# Altium PCB PCB1.PcbDoc (part 1 of 2)
Units mm, origin at the board's own origin, x right, y up, seen from the top; angles counter-clockwise.
Board outline 105 x 90 mm, 6 copper layers (SIG TOP, GND1, PWR, SIG, GND2, SIG BOT), stack 1.597 mm thick; 124 components, 105 nets, 563 pads, 434 vias.
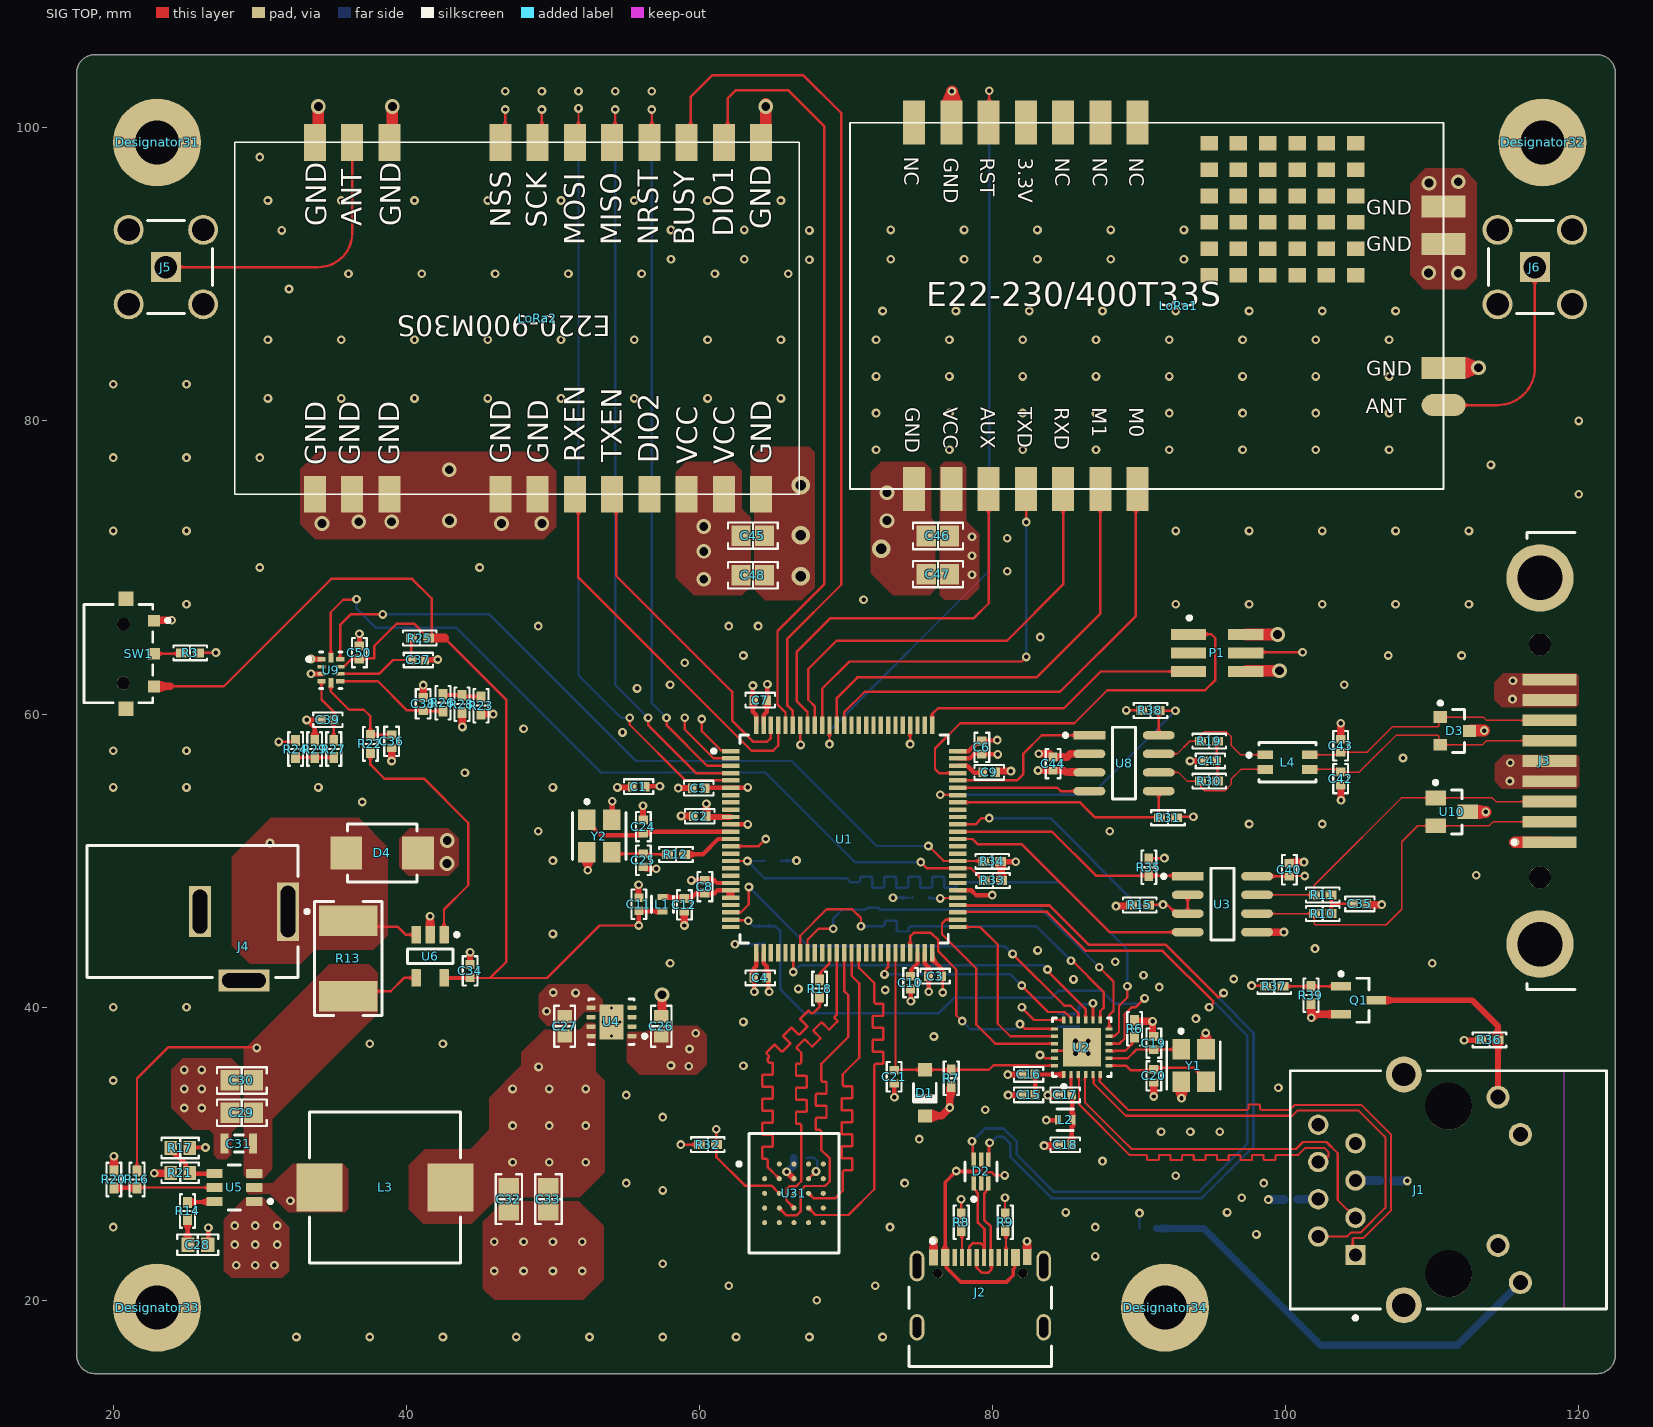
[diagram p0: SIG TOP view]
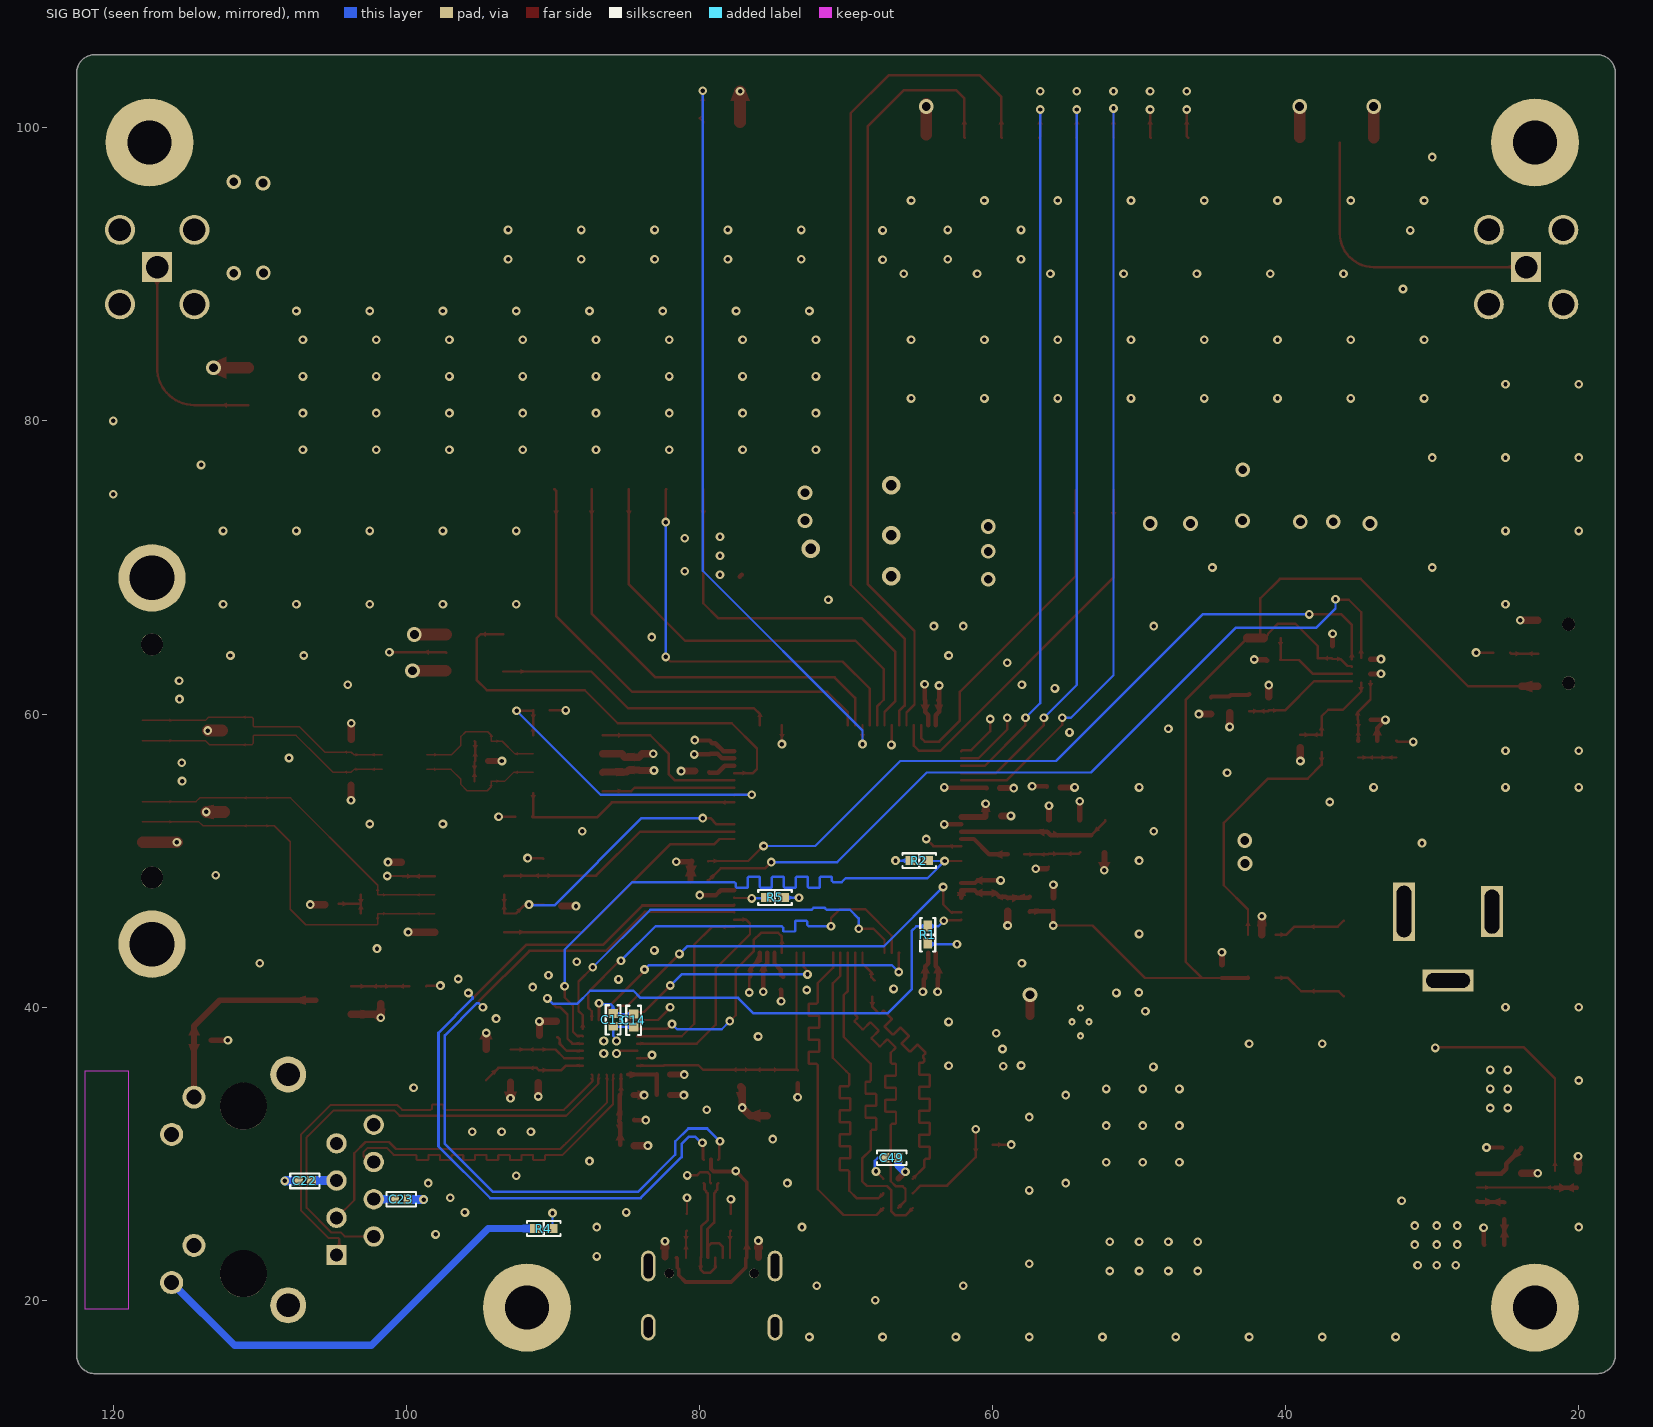
[diagram p1: SIG BOT view, seen from below]
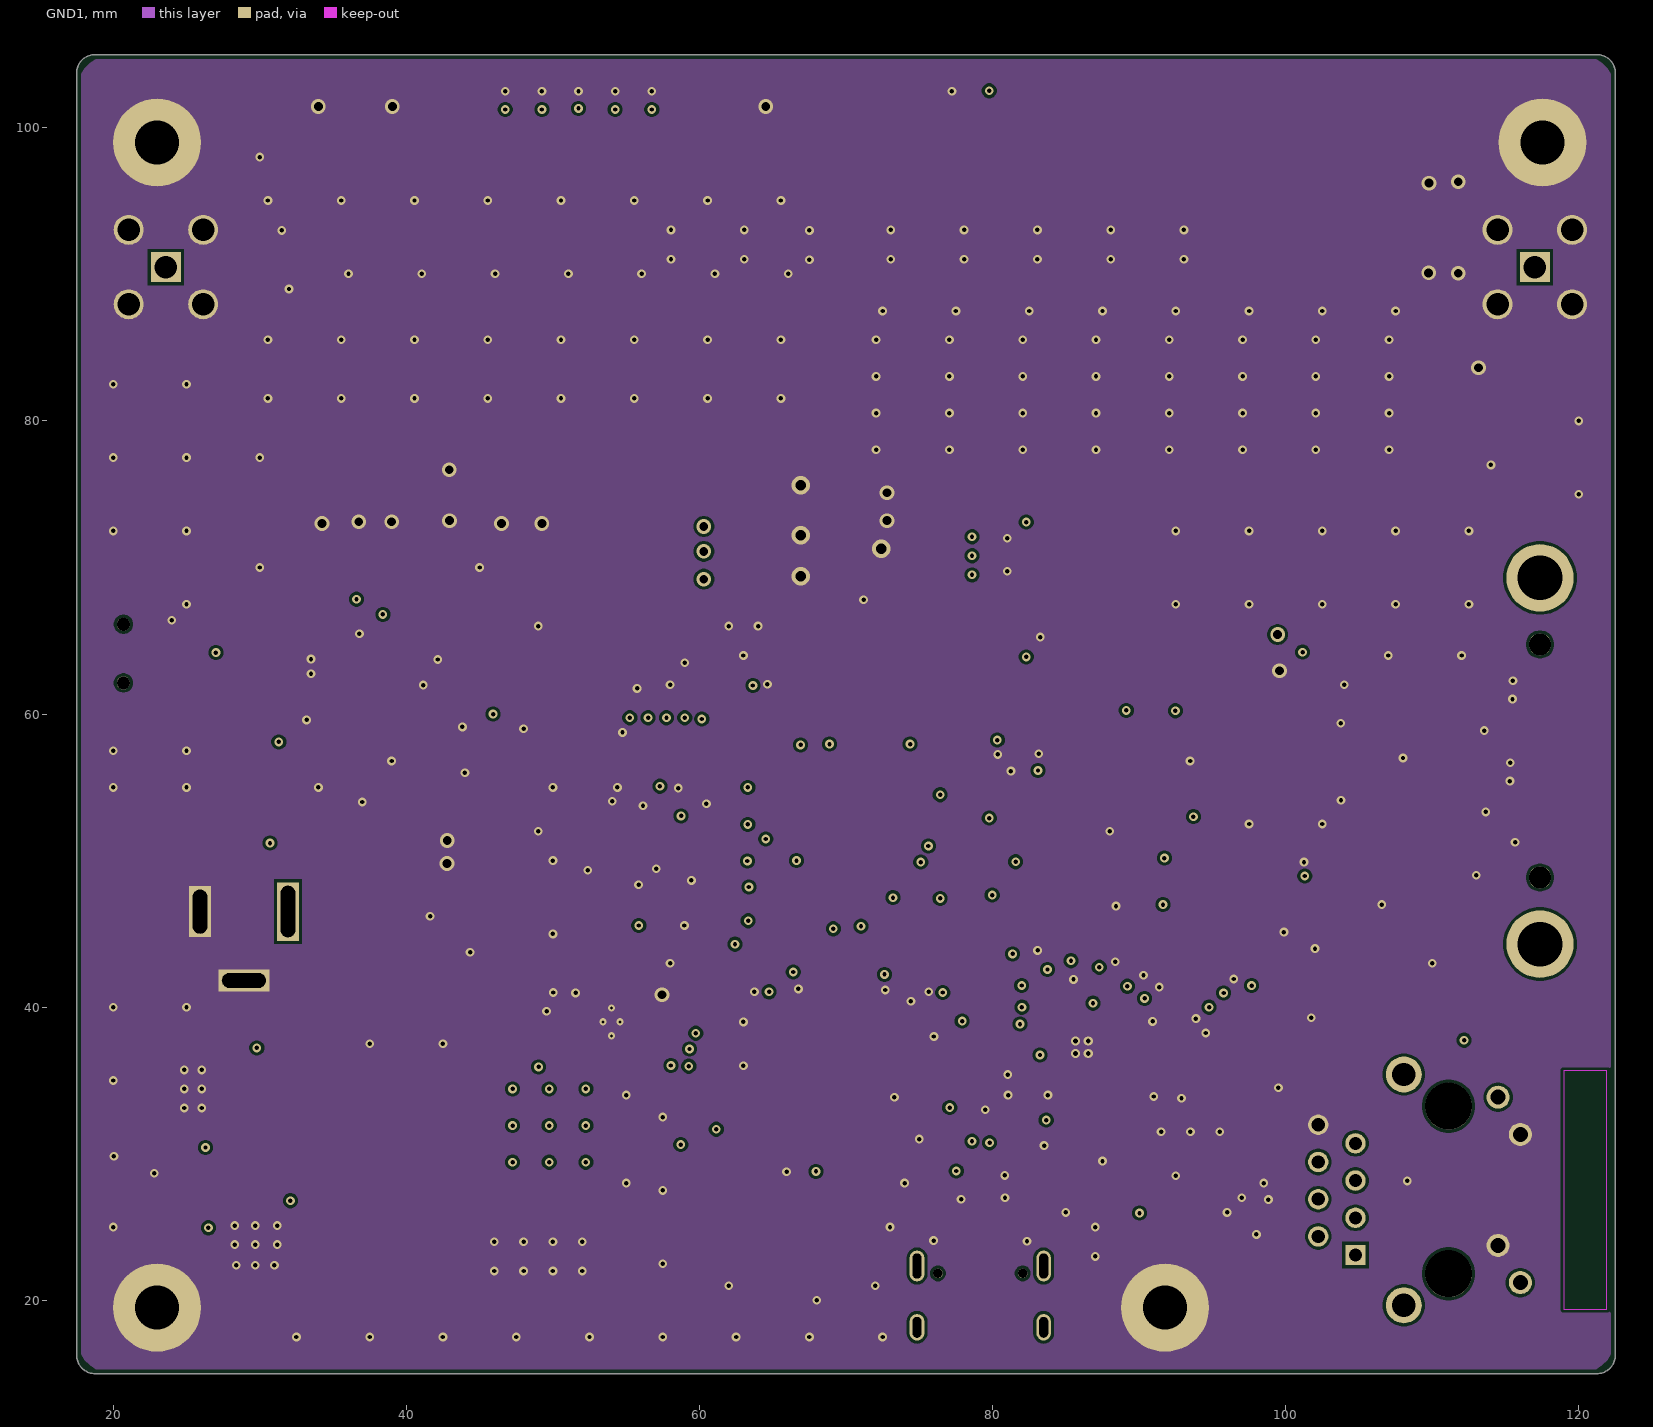
[diagram p2: GND1]
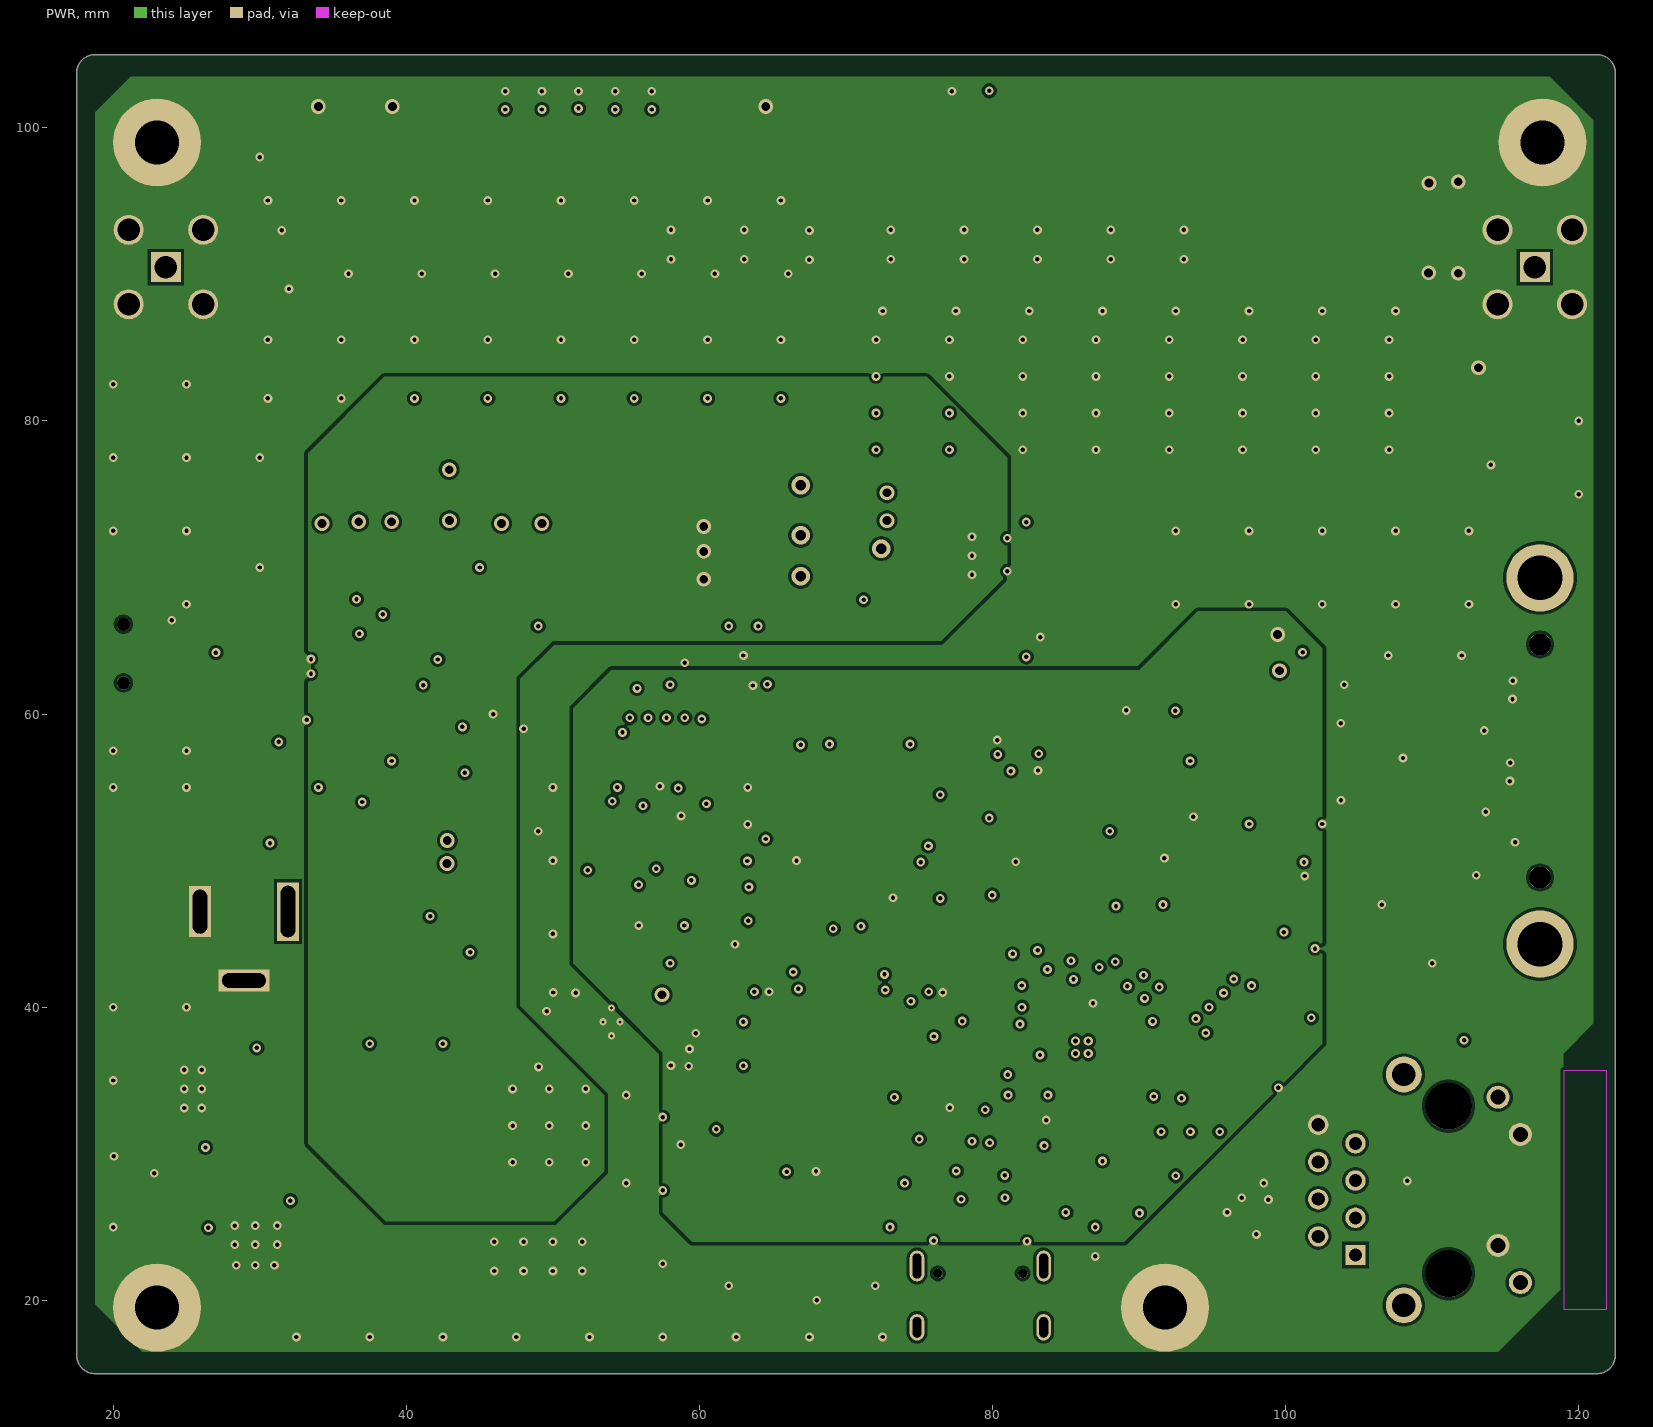
[diagram p3: PWR]
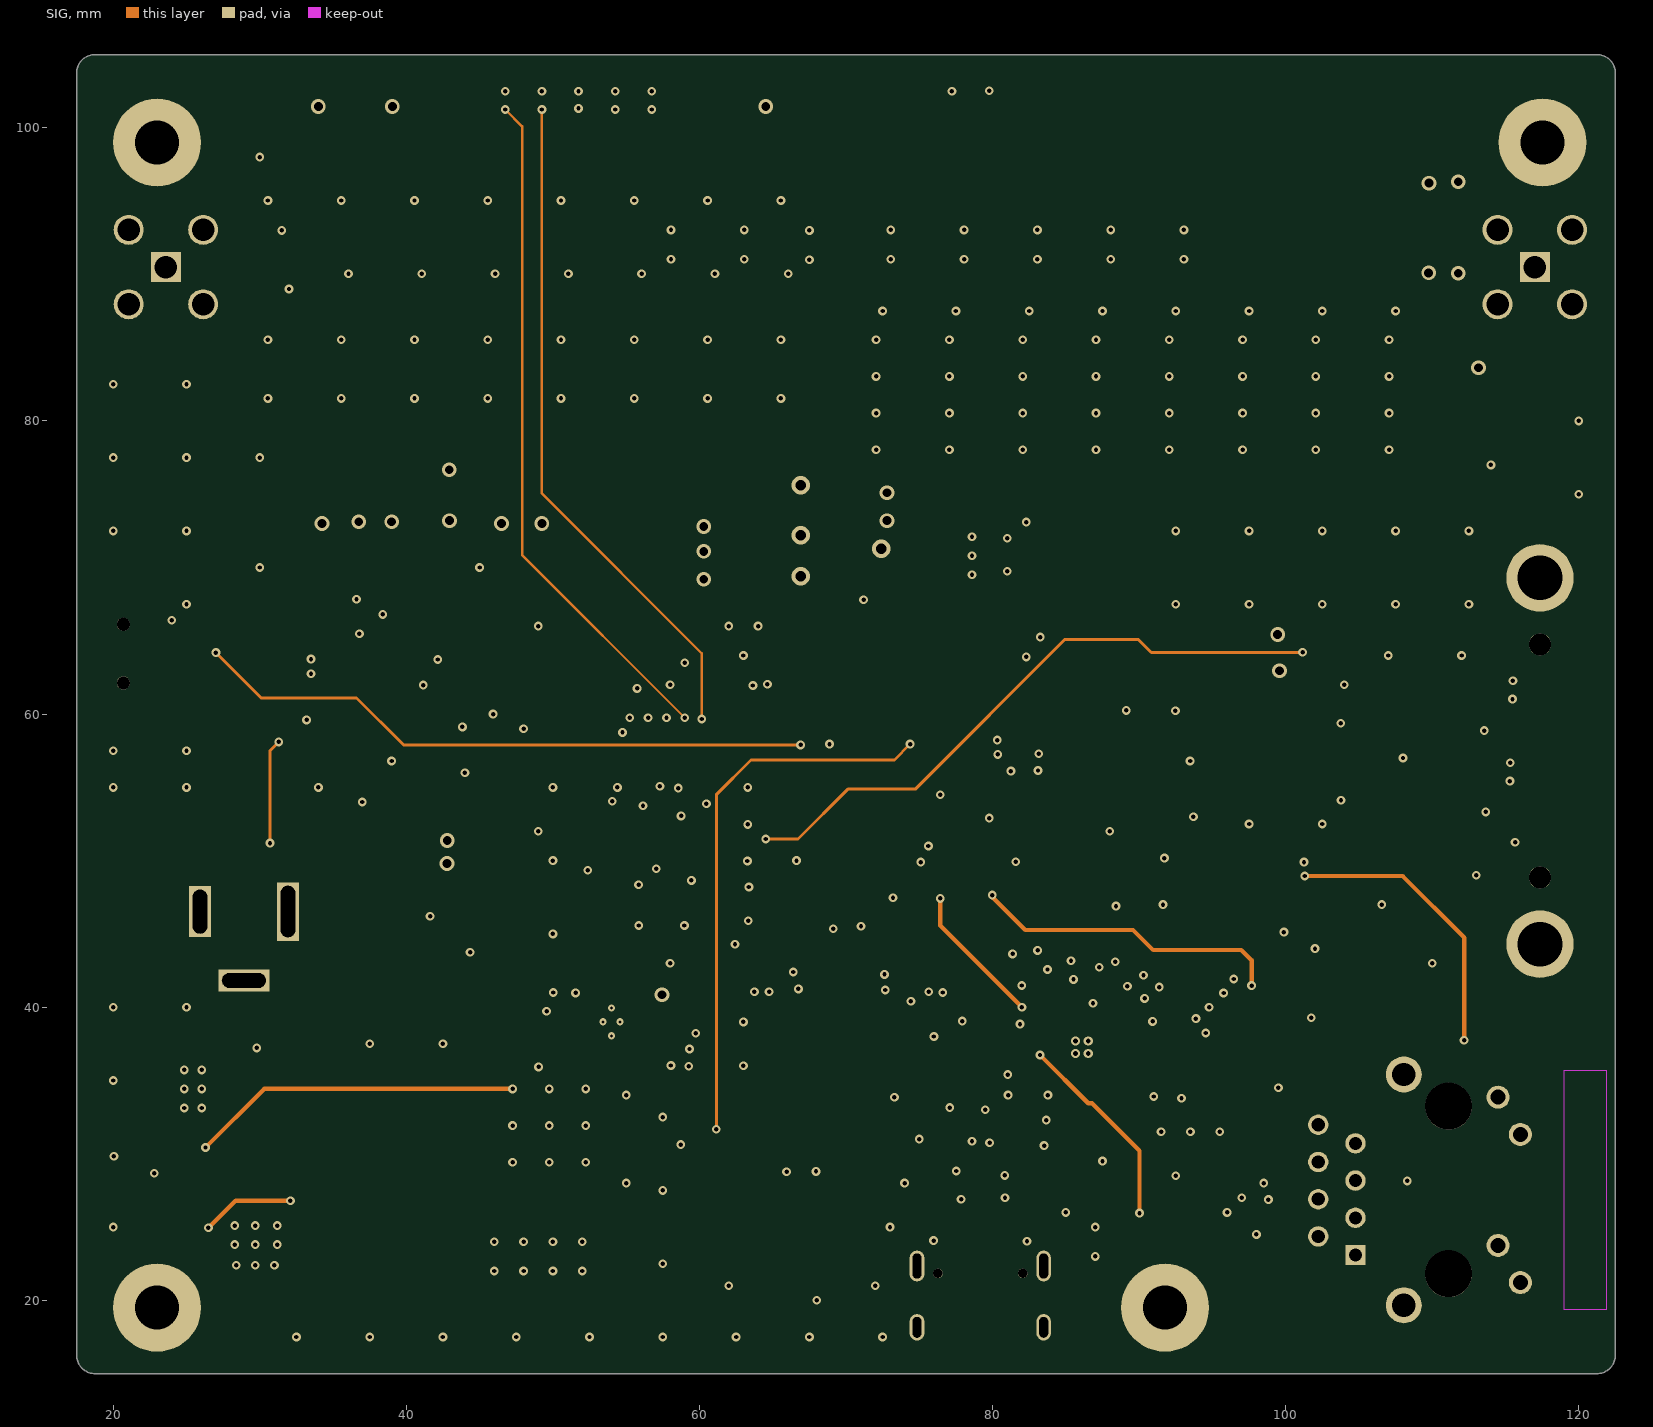
[diagram p4: SIG]
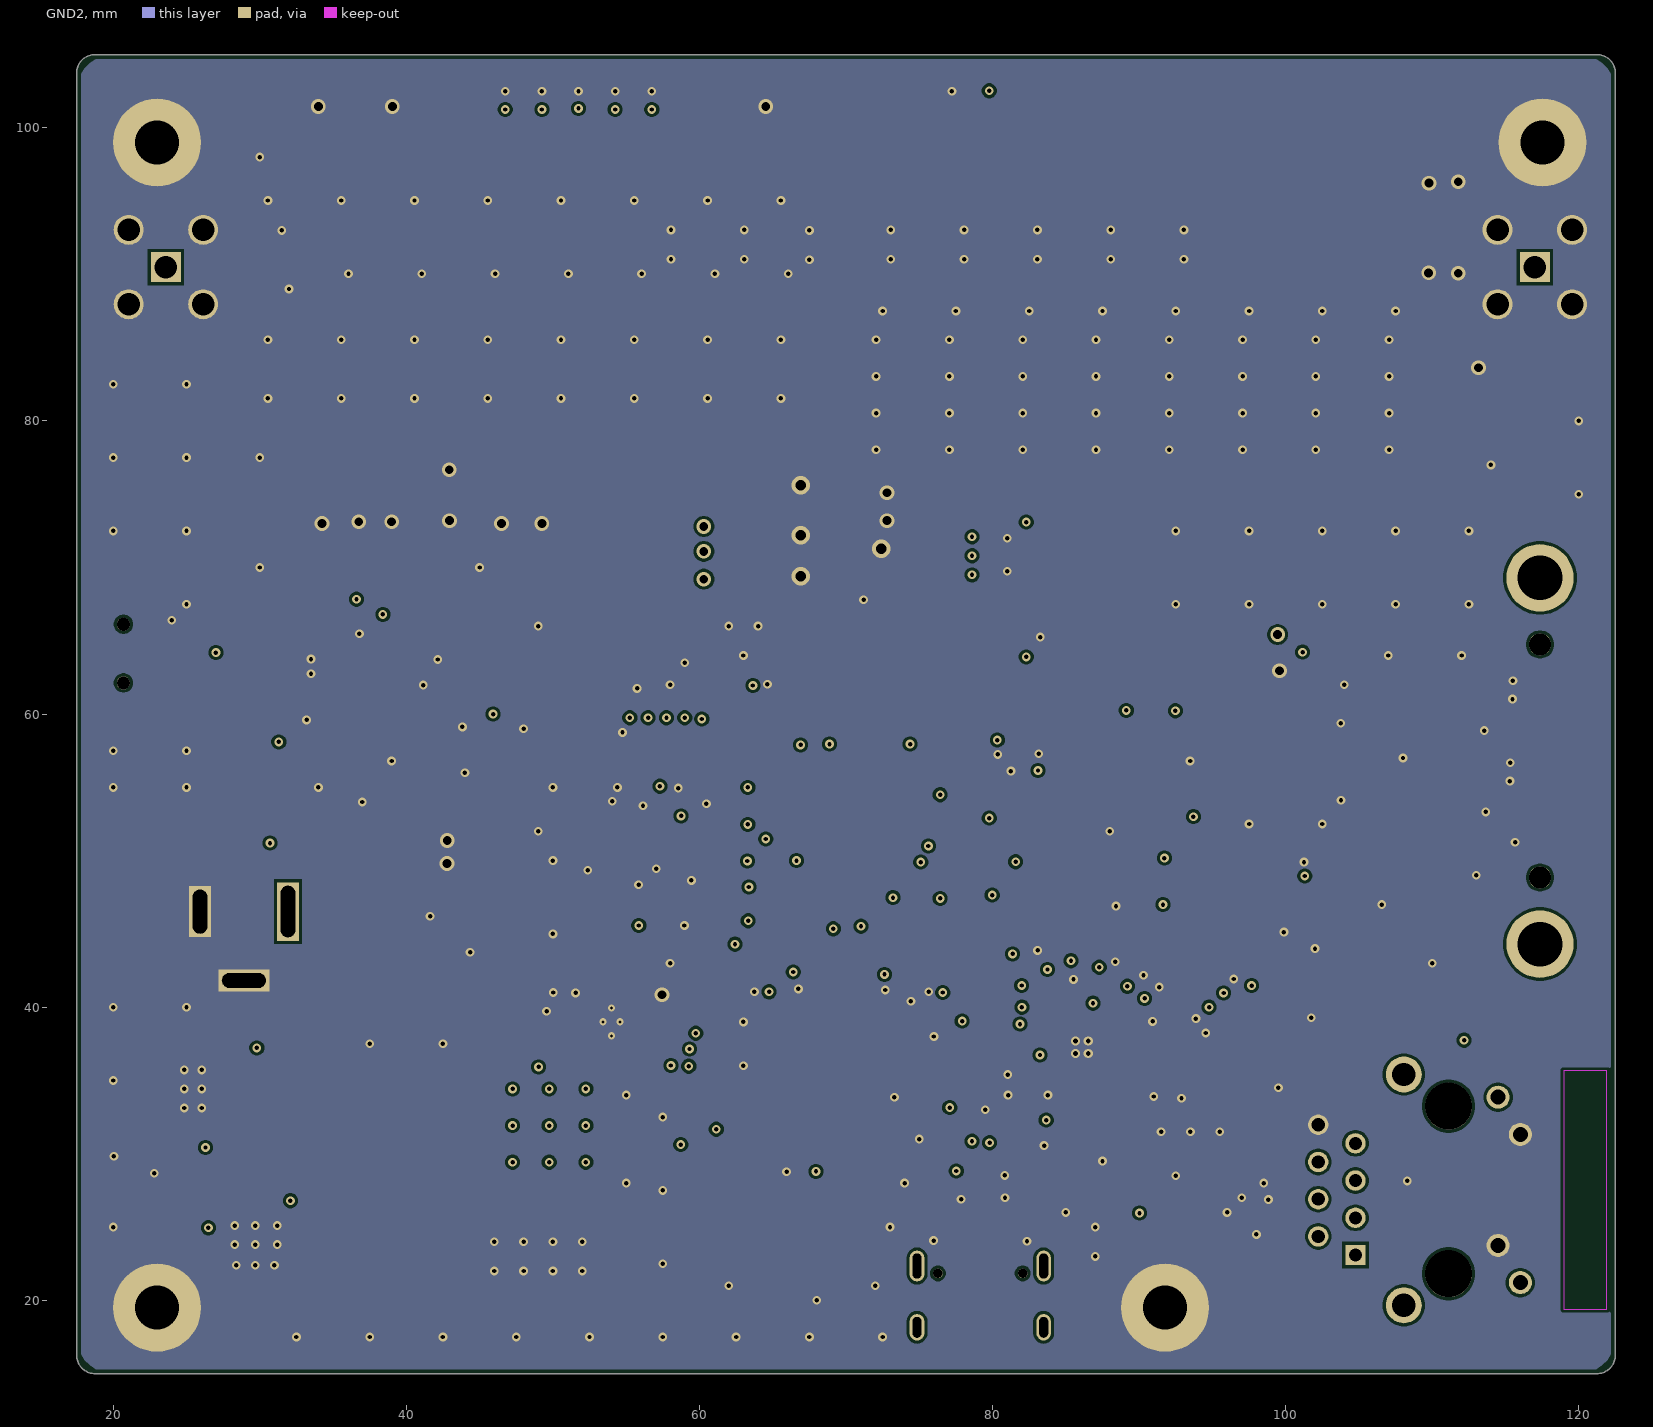
[diagram p5: GND2]
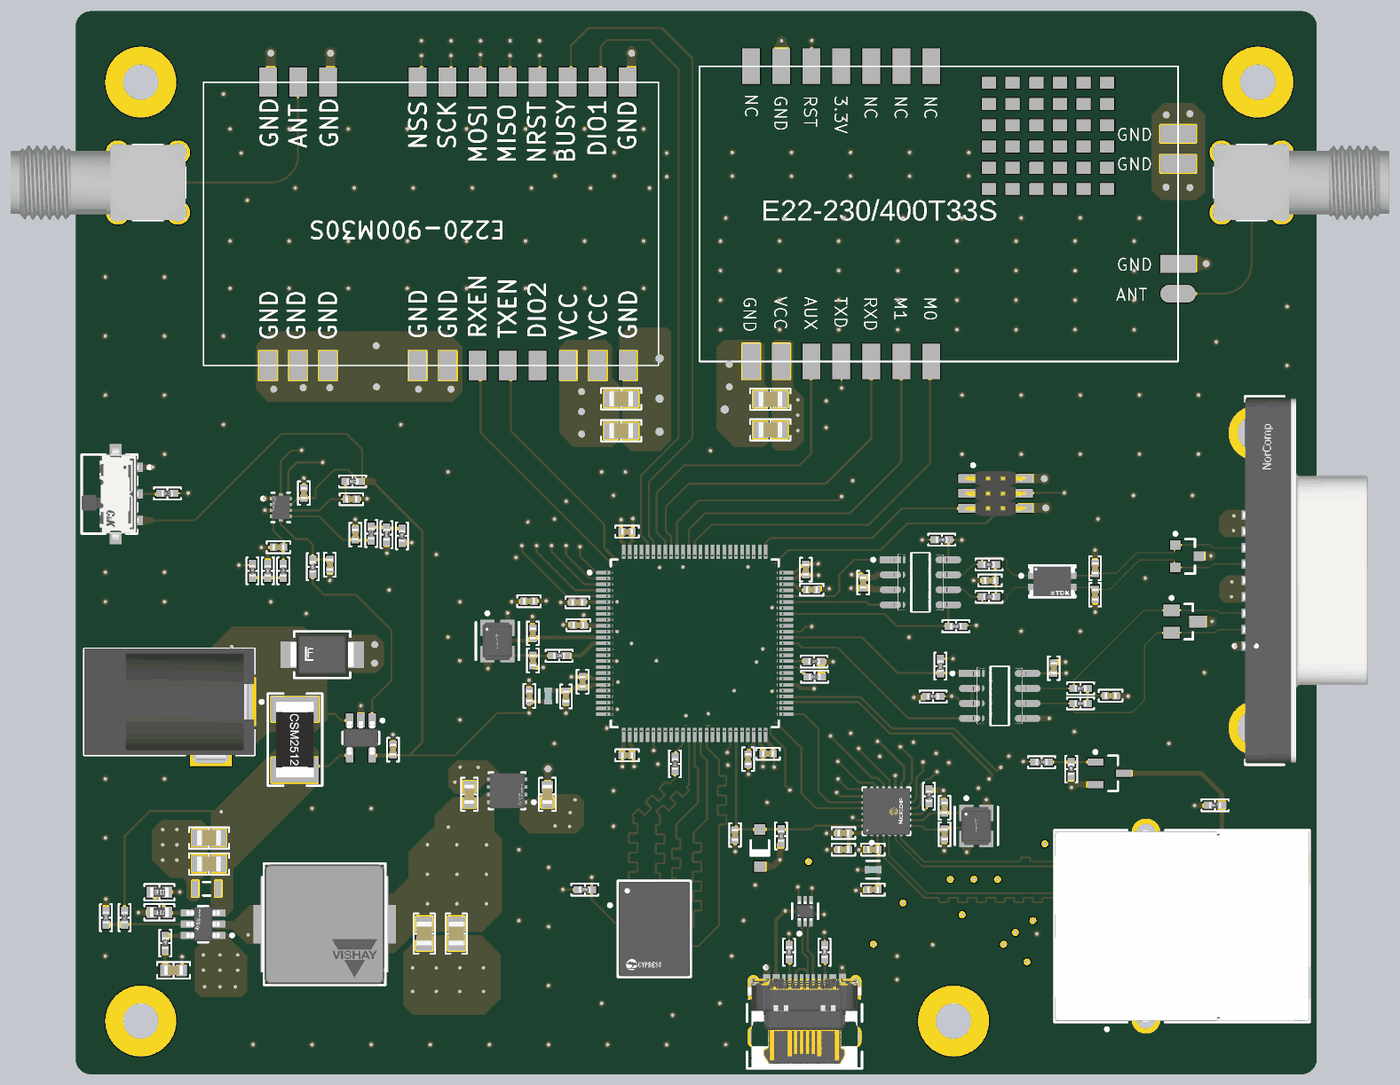
[diagram p7: 3D render of the assembled board from above, using the file's embedded part models]
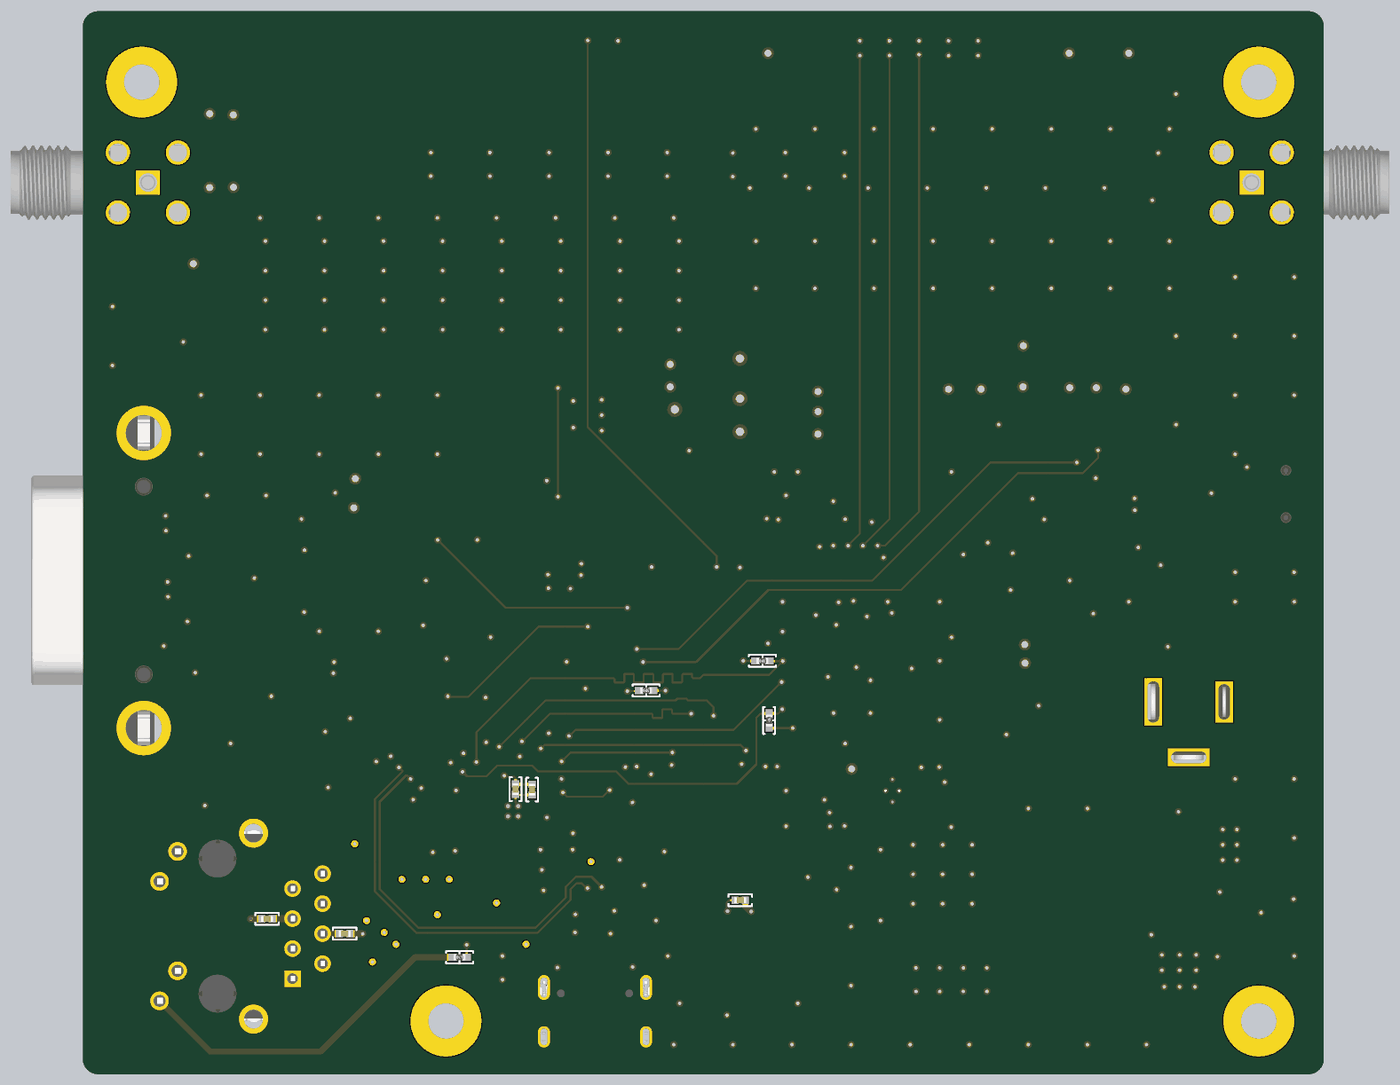
[diagram p8: 3D render of the assembled board from below, using the file's embedded part models]

## Layer stack, top to bottom
Top Solder: solder mask 0.015, SM-001, Dk 3.8
SIG TOP: signal copper 0.035
Dielectric 4: prepreg 0.1, 2313, Dk 4.05
GND1: signal copper 0.0175
Dielectric 2: core 0.565, FR-4, Dk 4.5
PWR: signal copper 0.0175
Dielectric 1: prepreg 0.127, 2316, Dk 4.25
SIG: signal copper 0.0175
Dielectric 3: core 0.565, FR-4, Dk 4.5
GND2: signal copper 0.0175
Dielectric 5: prepreg 0.1, 2313, Dk 4.05
SIG BOT: signal copper 0.035
Bottom Solder: solder mask 0.015, SM-001, Dk 3.8

## Board outline
17.5,16.27 17.5,103.73 cw(c18.77,103.73) 18.77,105 121.23,105 cw(c121.23,103.73) 122.5,103.73 122.5,16.27 cw(c121.23,16.27) 121.23,15 18.77,15 cw(c18.77,16.27)
